# Allegro board HI3516AREFB_VER_B_PCB.brd (continued)
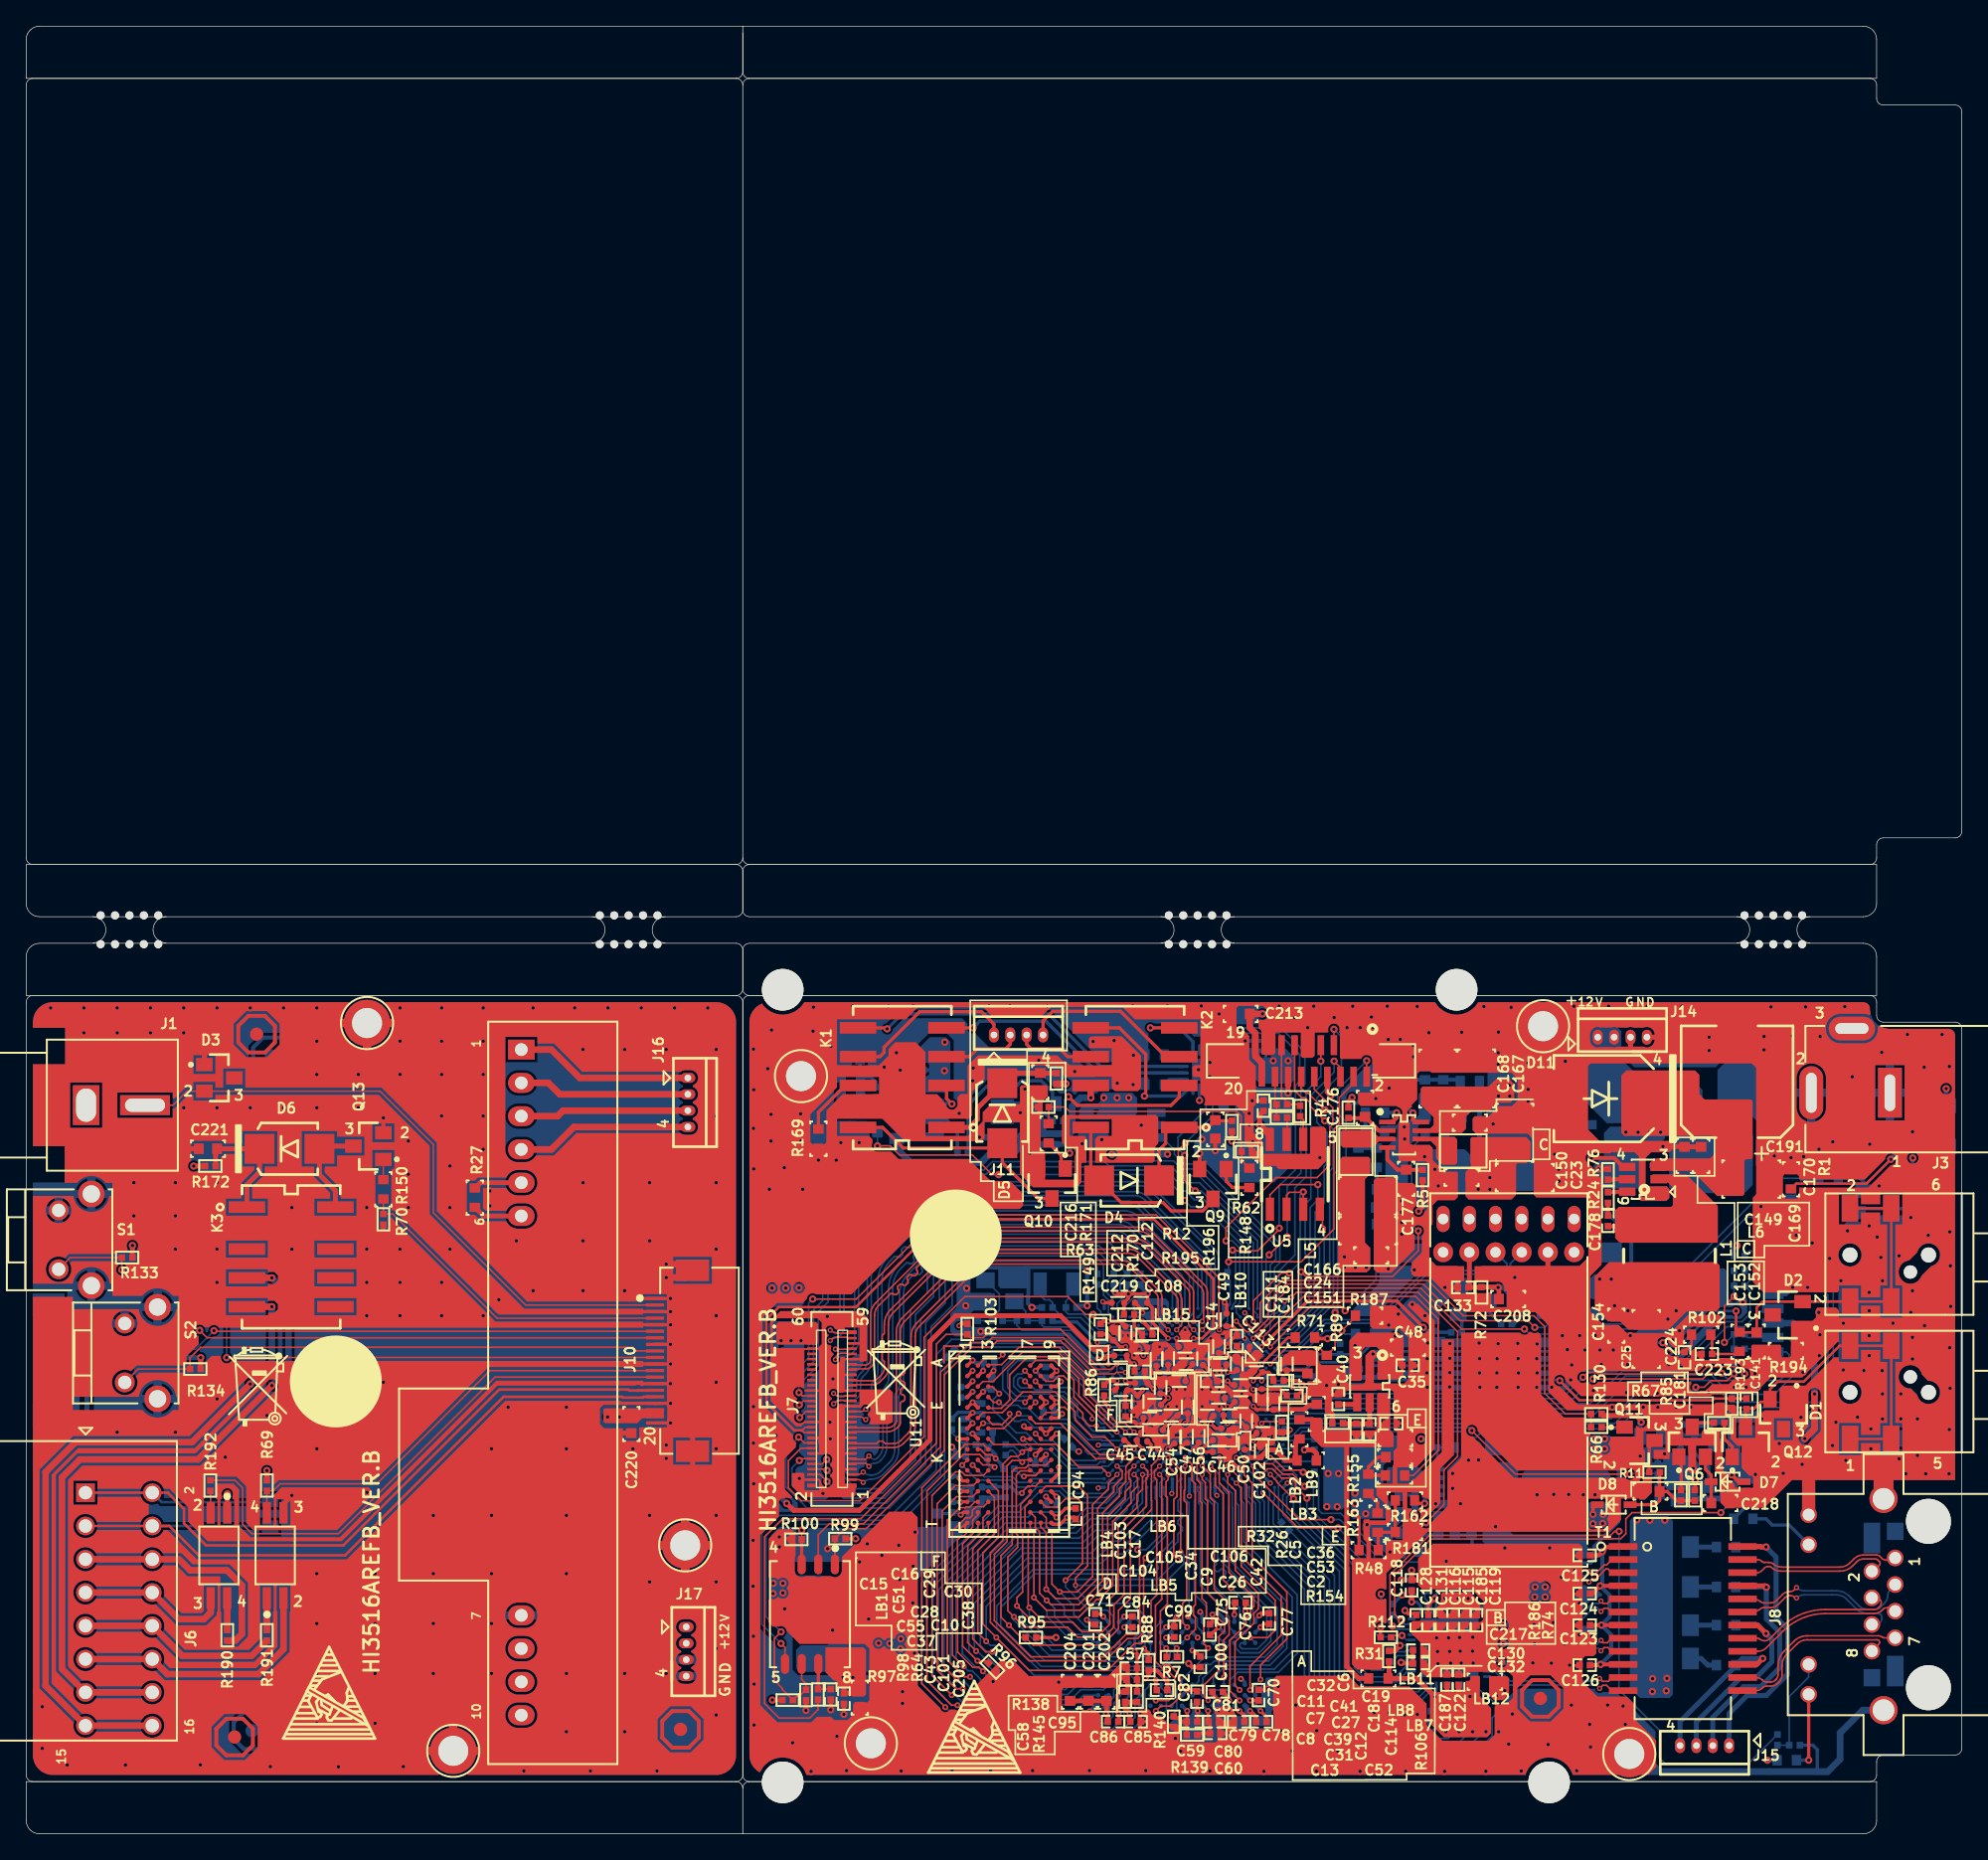
[diagram p0: board, top side]
## Routing (per net, layer and track width the routed paths; a pad name or vN(x,y) marks a point on that pad's centre or on a via; arc(x,y) is an arc through that point) (continued)
  BOTTOM w0.254: v3(93.66,32.62) 93.34,32.94 U8.L18
DVDD3318: length 11.7
  TOP w0.381: v1(107.53,10.46) 106.13,11.86 LB11.1 104.02,11.93 R31.1 ; C187.1 108.45,10.67 ; C122.1 109.33,10.63
  BOTTOM w0.203: v1(107.53,10.46) 107.63,10.57 U2.21 ; U2.15 110.03,10.65 v1(110.21,10.48)
  BOTTOM w0.305: R107.1 v1(111.42,7.8) ; R110.1 v1(108.36,7.79) ; R109.1 v1(109.38,7.8) ; R108.1 v1(110.4,7.79)
DVDDIO_RGMII: length 6.9
  TOP w0.381: LB2.2 96.88,29.84 96.88,28.62 LB3.2 96.15,28.49 95.33,29.31 94.79,29.31 C102.1 94.2,28.72 v3(93.01,28.72)
  BOTTOM w0.127: U8.E17 v3(93.01,28.72)
GND: length 249.1
  TOP w0.152: U11.J2 72.84,29.34 73.25,28.93 73.71,28.93 v2(74,28.65)
  TOP w0.254: v3(84.56,29.37) 83.89,30.04 C45.2 ; v2(78.82,27.99) 78.82,27.52 U11.M9 ; C47.2 88.62,30.8 C56.2 89.49,31.05 v3(89.76,31.32) ; v2(79.08,32.05) 78.77,31.74 78.76,31.74 U11.F9 ; C82.2 89.36,10.06 89.36,9.43 v2(89.42,9.38) 89.42,8.58 C59.2 ; U11.T9 78.36,23.62 78.92,23.62 v2(79.44,24.14) ; U11.A9 v2(78.64,35.34) 78.24,34.94 U11.B9 ; R181.1 104.45,21.51 v1(104.1,21.51) ; v2(77.84,25.74) 78.24,25.34 U11.P9 ; U11.B1 v2(72.24,35.34) ; v2(71.51,23.29) 71.61,23.39 71.61,23.51 71.61,23.51 U11.T1 ; C55.2 86.73,31.73 C10.2 ; C70.2 94.63,10.99 v2(94.73,11.1) ; v2(93.05,16.99) 93.05,17.61 C76.2 ; U11.B3 v2(73.84,35.34) ; v3(85.21,39.77) 85.21,39.95 C108.2 ; C84.2 84.43,16.58 v2(83.81,16.58) ; C219.2 82.25,40.53 v3(82.18,40.61) ; v2(83.39,9.22) 83.27,9.34 83.27,10.59 83.55,10.87 C58.2 83.98,10.97 ; v2(91.01,15.78) 90.42,15.19 C75.2 ; C49.2 91.63,40.41 v2(91.47,40.57) ; U11.P1 71.84,25.34 71.33,25.34 v2(71.31,25.31) ; U11.G9 78.24,30.94 v2(77.84,30.54) 77.44,30.94 U11.G8 ; v2(77.04,28.94) 77.44,29.34 U11.J8 ; U11.E8 77.44,32.54 v2(77.84,32.94) U11.D8 ; v3(87.81,31.32) 87.64,31.15 C54.2 ; C99.2 87.6,14.97 v2(87.02,14.97) ; v2(91.02,9.38) 91.02,8.61 C80.2 ; v2(91.02,10.18) 90.66,10.53 90.66,10.72 C81.2 ; U11.M1 71.84,26.94 71.46,26.94 v2(71.25,27.15) ; C40.2 v1(100.15,34.29) ; R95.1 v1(78.6,14.98) ; v3(86.51,29.37) C44.2 ; U11.E2 72.42,32.76 v2(72.24,32.94) 71.84,32.54 U11.E1 ; C13.2 92.13,30.05 v2(92.41,29.76) 91.8,29.15 C46.2 ; v2(80.96,16.33) 81.31,15.97 C71.2 ; U11.D1 v2(72.24,33.74) ; U11.G1 72.01,31.11 v2(72.24,31.34)
  TOP w0.305: C217.2 v1(123.28,27) ; v2(85.33,30.55) 85.61,30.84 C37.2 ; U6.1 123.68,49.01 v1(123.42,48.75) ; C95.2 87.1,11.67 v2(87.02,11.76) 86.31,12.47 R88.1 85.68,12.11 v2(85.43,11.86) ; v2(93.42,9.38) 93.87,8.92 C78.2 ; v1(57.49,21.89) 57.92,21.46 U4.4 ; C176.2 v1(103.02,56.12) ; Q9.2 v1(89.57,51.93) ; v1(99.32,37.79) 98.43,37.79 R71.1 ; v2(83.39,9.22) 83.39,8.59 C86.2 ; C77.2 94.29,16.84 v2(94.11,16.66) ; v2(79.44,24.14) 79.98,24.14 C94.2 ; v1(104.88,60.63) 104.88,59.46 J9.22 103.96,59.45 v1(103.96,60.63) ; Q11.2 123.02,29 v1(123.2,28.83) ; v3(83.91,34.57) 84.08,34.41 C16.2 ; v1(88.73,13) 89.01,12.72 C100.2 ; C79.2 92.17,9.03 v2(91.82,9.38) ; R1.2 v1(134.7,51.61) ; U5.5 v1(98.74,51.61) ; C101.2 v1(62.42,9.11) ; C43.2 v1(61.41,9.47) ; 93.61,55.98 v1(93.58,55.95) 94.42,55.95 C112.2 ; C104.2 82.52,36.49 82.28,36.26 v3(81.79,36.26) ; C15.2 83.26,34.02 v3(83.26,34.57) 82.59,34.57 R86.1 ; R98.1 v1(59.52,9.42) ; C212.2 v1(90.76,52.14)
  TOP w0.381: J14.3 122.46,59.9 ; v1(99.58,56.36) 99.32,56.62 J9.8 ; 127.87,36.04 C223.2 127.29,36.62 ; J9.3 v1(101.82,61.53) ; 106.48,19.38 C118.2 v1(105.75,20.11) ; C52.2 94.92,30.65 R106.1 96.3,30.65 v3(96.48,30.83) ; J9.5 v1(100.82,61.53) ; J9.14 v1(96.32,56.54) ; C213.2 v1(91.05,62.58) ; J14.4 124.42,60.8 ; R169.1 v1(60.47,51.42) ; R32.1 99.69,32.01 99.4,32.3 ; J9.1 v1(102.82,61.53) ; 109.28,41.12 C133.2 ; C133.2 109.28,42.29 ; C133.2 108.69,41.7 ; C152.2 C153.2 126.55,52.46 v1(124.93,52.46) ; J9.11 v1(97.82,61.53) ; J2.2 116.15,43.11
  TOP w1.016: 136.05,27.34 J8.13
  TOP w1.524: J8.11 141.77,27.43
  GND03 w0.635: 116.15,43.14 J2.2 116.15,45.53
  BOTTOM w0.203: v1(108.57,14.96) 108.83,15.22 U2.43 ; v1(110.42,15.01) 110.43,15.02 U2.47 ; v2(87.02,11.76) 87.02,11.3 87.02,11.3 87.02,11.21 87.42,10.81 U12.J2
  BOTTOM w0.254: U12.A9 93.81,16.36 v2(94.11,16.66) ; C173.2 136.37,6.77 136.71,6.42 136.71,4.75 ; v2(71.31,25.31) 70.73,25.31 C63.2 ; U8.D17 92.69,28.03 v2(92.56,27.9) 92.69,27.77 U8.B17 ; C67.2 77.66,32.75 v2(77.84,32.94) ; v2(85.05,9.22) 85.04,9.22 85.02,9.25 85.02,9.77 U12.M1 ; v2(87.02,14.97) 87.42,15.37 U12.J8 ; U8.E5 v3(84.56,29.37) ; v3(90.89,25.83) 90.74,25.98 U8.A14 U8.B14 ; U8.A22 v3(96.26,26.77) ; U12.P9 83.42,16.18 v2(83.81,16.58) 83.84,16.6 84.59,16.6 U12.M9 ; v3(86.51,29.37) 86.19,29.05 U8.E7 ; C93.2 78.35,35.63 v2(78.64,35.34) ; U8.B20 v3(94.96,26.77) ; U8.T21 95.29,36.2 v3(95.61,35.87) 95.94,36.19 U8.T22 ; U8.N21 U8.N22 96.49,34.25 v3(96.65,34.08) ; C83.2 77.84,25.1 v2(77.84,25.74) ; 126.09,27.53 Q4.2 ; R87.1 74.43,28.04 74.43,28.22 v2(74,28.65) 74,28.95 73.5,29.45 C92.2 ; v2(88.67,16.59) 89.02,16.25 U12.G9 ; U8.AB22 95.94,40.1 96.06,40.22 v3(96.06,40.66) ; v1(80.98,42.97) 80.73,43.23 76.21,43.23 ; U12.P1 83.42,9.77 83.42,9.25 v2(83.39,9.22) ; U7.5 61.89,15.88 v1(61.55,15.54) ; U8.R1 82.26,35.55 81.79,36.02 v3(81.79,36.26) 81.48,36.26 79.61,38.12 73.67,38.12 73.52,38.27 ; U8.F2 U8.F1 81.85,29.7 v3(81.83,29.67) ; U12.B1 93.02,9.78 v2(93.42,9.38) ; U8.A1 81.88,26.45 v3(81.83,26.39) ; U8.W11 v3(88.46,38.47) 88.79,38.79 U8.Y11 ; U8.B11 U8.A11 88.78,26.44 v3(88.78,25.78) ; U12.E8 91.01,15.77 v2(91.01,15.78) U12.D8 ; C188.2 v1(117.18,19.58) ; v3(87.43,25.97) 87.49,26.02 U8.A9 U8.B9 ; R121.2 v1(105.01,18.23) ; v3(96.48,30.83) 96.31,31 U8.H22 ; v2(91.47,40.57) 91.39,40.48 U8.AB15 U8.AA15 91.03,39.09 ; v2(81.16,9.34) 81.59,9.78 U12.T1 ; v2(89.61,16.94) 89.74,16.81 89.74,16.42 89.81,16.34 89.81,16.18 U12.F9 ; U12.T9 81.66,16.33 v2(80.96,16.33) ; C200.2 78.44,39.06 80.2,39.06 v3(81.76,37.49) 81.76,37.5 ; v2(89.42,14.98) 89.02,15.38 U12.G8 ; U8.AA18 v3(93.01,39.77) ; v2(93.05,16.99) 93.01,16.96 93.01,16.18 U12.B9 ; U8.P20 94.64,34.89 v3(94.31,34.57) U8.P19 ; U12.E2 v2(91.02,10.18) ; v3(82.18,40.61) 82.29,40.5 U8.AB1 ; U12.B3 93.01,11.38 93.01,11.56 92.74,11.83 v2(92.72,11.83) ; U12.E1 v2(91.02,9.38) ; U12.G1 v2(89.42,9.38) ; U12.D1 v2(91.82,9.38) ; U7.3 v1(64.3,16.38)
  BOTTOM w0.305: v1(112.4,7.79) R119.2 113.18,8.54 ; U16.2 v1(85.11,54.09) ; C3.2 104.02,47.8 ; R189.1 103.61,38.83 v1(104,38.83) ; R59.1 107.17,39.54 v1(106.76,39.54) ; C197.2 80.3,40.31 v1(80.98,40.31) v1(80.98,41.58) v1(80.98,42.97) ; v2(72.24,33.74) 71.8,33.3 C89.2 ; J13.6 134.31,41.18 v1(134.83,41.7) ; C33.2 99.14,34.1 v1(99.26,34.22) ; R143.1 70.9,29.26 v1(70.65,29.51) ; C140.2 v1(93.05,60.52) ; C65.2 77.04,28.26 v2(77.04,28.94) ; C66.2 73.77,29.84 C92.2 73.14,29.69 C64.2 ; v1(99.32,37.79) 99.9,37.79 C214.2 ; C127.2 107.7,19.5 v1(107.65,19.45) 106.98,20.13 R188.2 ; C91.2 71.91,31.67 v2(72.24,31.34) ; v1(116.67,51.86) 116.67,51.02 v1(116.97,50.72) ; C189.2 v1(115.1,15.97) ; v4(80.35,29.18) 80.2,29.18 C96.2 ; C88.2 72.88,32.94 v2(72.24,32.94) ; v1(84.49,57.18) R77.2 ; C192.2 102.86,13.1 v1(102.57,13.38) ; J13.11 v1(133.82,29.79) ; C68.2 71.1,27.3 v2(71.25,27.15) ; C90.2 73.84,34.89 v2(73.84,35.34) 73.9,35.4 C87.2 ; C156.2 62.24,59.3 v1(61.42,60.12) ; C134.2 v1(134.11,27.51) ; v1(105.19,53.95) 104,53.95 R182.1 ; C198.2 v1(76.77,40.18) 76.46,40.48 76.46,41.09 ; C117.2 v1(110.19,20.24) ; R180.1 v1(108.39,20.8) ; C209.2 v1(132.88,26.79)
  BOTTOM w0.381: v1(76.6,51.95) C138.1 R147.1 ; 72.6,24.81 72.96,25.17 C61.2 73.01,25.62 73.82,25.62 R141.1 C62.2 ; C129.2 v1(115.01,13.05) ; v1(63.61,20.75) C144.2 64.19,19.96 ; R131.1 v1(135.67,51.69) ; 115.81,52.65 R137.1 v1(116.67,51.86) ; C157.2 v1(63.58,52.76) ; C158.2 v1(62.18,52.76) ; C210.2 v1(66.42,59.62) ; J14.3 122.46,59.82 ; Q3.2 v1(108.29,41.7) ; C186.2 v1(115.13,14.5) 116.14,14.5 ; J14.4 124.42,60.8
  BOTTOM w0.508: J8.12 140.19,9.43 138.45,7.69 138.45,5.69 137.51,4.75 132.98,4.75 ; U15.4 74.45,53.17 v1(72.76,53.17)
  BOTTOM w0.635: J3.1 142.25,58.93 ; J3.1 141.01,56.56 ; J3.1 144.1,56.56 ; J3.1 142.25,54.07
  BOTTOM w1.016: J8.13 136.05,27.35
  BOTTOM w1.524: J8.11 141.77,27.68
  vias: v1(55.48,22.4) v1(55.48,18.89) v1(55.51,59.89) v1(55.53,56.79) v1(55.51,53.84) v1(55.53,50.75) v1(55.51,32.61) v1(55.51,29.82) v1(55.53,26.72) v1(55.51,15.08) v1(55.56,11.43) v1(55.56,8.3) v1(56.6,58.4) v1(56.73,49.2) v1(56.89,61.34) v1(56.85,54.91) v1(56.85,52.88) v1(57.11,27.73) v1(57.23,30.4) v1(57.49,22.65) v1(57.87,50.85) v1(57.89,17.17) v1(58.49,6.95) v1(59.01,27.12) v1(59.11,54.95) v1(59.14,52.88) v1(59.27,49.2) v1(59.9,4.77) v1(60.09,63.09) v1(60.06,61.27) v1(60.82,25.98) v1(61.15,39.49) v1(61.17,21.76) v1(61.35,31.42) v1(61.37,30.15) v1(61.58,34.72) v1(61.83,51.42) v1(61.88,7.44) v1(62.62,4.82) v1(63.09,63.19) v1(64.2,22.13) v1(65.31,21.26) v1(65.49,58.52) v1(65.79,63.17) v1(66.58,18.04) v1(66.6,22.02) v1(66.67,19.4) v1(66.71,58.29) v1(66.78,4.8) v1(66.89,10.84) v1(66.89,9.95) v1(67.67,17.62) v1(67.7,63.19) v1(67.7,20.42) v1(67.85,23.03) v1(67.8,13.79) v1(70.67,4.82) v1(71.21,54.99) v1(71.78,41.64) v1(71.71,40.31) v1(72.07,6.57) v1(72.29,58.45) v1(72.24,57.48) v1(72.85,38.35) v1(73.49,63.19) v1(73.62,4.82) v1(73.8,11.63) v1(75.09,63.19) v1(75.88,55.04) v1(76.23,56.84) v1(76.82,4.82) v1(77.28,59.04) v1(77.93,63.17) v1(78.82,11.57) v1(80.03,58.19) v1(80.6,52.68) v1(81.16,4.82) v1(81.43,60.47) v1(82.1,52.98) v1(83.04,60.55) v1(83.28,57.29) v1(84.46,63.19) v1(84.51,59.43) v1(85.45,4.82) v1(87.1,63.19) v1(88.12,6.3) v1(89.48,58.32) v1(89.7,63.19) v1(89.75,53.01) v1(90.36,58.87) v1(90.33,57.78) v1(90.36,4.8) v1(91.9,7.67) v1(92.64,6.35) v1(93.35,54.99) v1(93.35,54.1) v1(93.62,52.83) v1(94.47,4.77) v1(95.56,11.25) v1(95.64,63.17) v1(95.77,7.87) v1(96.63,6.32) v1(96.83,62.29) v1(96.91,9.83) v1(98.28,63.17) v1(98.48,4.77) v1(98.51,7.87) v1(99.27,24.97) v1(99.38,27.5) v1(99.83,62.3) v1(100.07,24.96) v1(100.17,27.5) v1(100.11,6.32) v1(100.34,35.43) v1(101.25,63.17) v1(101.81,4.77) v1(102.34,23.59) v1(102.68,62.34) v1(102.8,36.62) v1(102.9,9.25) v1(103.89,63.17) v1(103.97,43.13) v1(104.03,56.92) v1(104.04,9.23) v1(104.73,39.67) v1(104.99,48.31) v1(104.99,47.46) v1(104.99,46.66) v1(104.99,45.77) v1(105.21,53.03) v1(105.21,9.08) v1(105.29,4.77) v1(105.87,60.17) v1(105.8,40.41) v1(105.9,59.31) v1(105.95,43.05) v1(106,38.15) v1(106.17,63.15) v1(106.18,9.11) v1(106.74,51.69) v1(106.94,36.27) v1(106.92,35.18) v1(106.94,34.08) v1(107.06,61.15) v1(106.99,37.46) v1(107.53,50.72) v1(107.58,25.19) v1(107.65,14.96) v1(107.78,49.45) v1(107.73,13.92) v1(107.75,12.98) v1(108.26,4.77) v1(108.67,37.41) v1(108.67,36.29) v1(108.67,35.2) v1(108.64,34.11) v1(108.64,13.92) v1(108.72,13.03) v1(108.87,27.5) v1(108.87,26.36) v1(109.47,25.2) v1(109.41,14.98) v1(109.46,13.94) v1(109.57,61.18) v1(109.53,13.03) v1(110.09,28.52) v1(110.4,13.94) v1(110.45,13.03) v1(110.86,28.54) v1(110.9,37.46) v1(110.93,36.27) v1(110.93,35.18) v1(110.95,34.08) v1(111.27,63.15) v1(111.41,4.77) v1(111.97,54.17) v1(112.15,23.44) v1(112.28,36.27) v1(112.25,35.18) v1(112.25,34.08) v1(112.38,61.19) v1(112.35,59.61) v1(112.35,58.72) v1(112.35,37.41) v1(112.86,21.81) v1(113.15,6.84) v1(113.34,63.08) v1(113.44,9.14) v1(113.62,42.46) v1(113.85,37.44) v1(113.88,36.27) v1(113.88,34.08) v1(113.9,35.18) v1(114.12,4.79) v1(114.63,58.85) v1(114.64,56.82) v1(114.64,55.93) v1(115.32,37.38) v1(115.3,36.27) v1(115.32,35.18) v1(115.3,34.08) v1(115.32,25.88) v1(116.16,6.81) v1(116.29,21.81) v1(116.44,34.08) v1(116.42,13.03) v1(116.59,58.96) v1(116.57,16.13) v1(116.59,25.9) v1(117,49.81) v1(117.25,38.02) v1(117.48,58.96) v1(117.43,14.5) v1(117.53,16.86) v1(117.64,36.95) v1(117.74,25.9) v1(117.89,34.64) v1(117.81,12.87) v1(117.97,35.78) v1(117.94,9.83) v1(118.14,63.17) v1(118.19,20.11) v1(118.35,4.81) v1(118.57,38.02) v1(118.55,17.6) v1(118.55,15.19) v1(118.85,25.88) v1(118.98,36.93) v1(119.34,8.35) v1(119.41,6.62) v1(119.51,15.08) v1(119.62,33.83) v1(119.77,38.02) v1(119.74,25.88) v1(120.12,36.93) v1(120.23,35.81) v1(120.78,63.17) v1(120.71,9.83) v1(121.06,32.56) v1(121.14,36.93) v1(121.88,9.75) v1(122.05,8.35) v1(122.16,33.68) v1(122.23,36.95) v1(122.23,35.81) v1(122.44,38.02) v1(122.93,23.96) v1(123.43,32.56) v1(123.73,63.17) v1(123.93,23.94) v1(124.14,11.85) v1(124.12,10.85) v1(124.49,33.63) v1(124.54,32.56) v1(125.05,29) v1(125.07,23.93) v1(125.18,10.92) v1(125.23,11.87) v1(125.38,35.81) v1(125.66,37.69) v1(125.94,32.56) v1(126.19,38.4) v1(126.37,63.17) v1(127.06,32.56) v1(127.21,39.29) v1(127.24,27.89) v1(127.49,35.66) v1(128.46,60.8) v1(128.46,59.79) v1(128.43,33.7) v1(128.86,39.16) v1(129.73,26.2) v1(130.28,31.77) v1(130.39,34.08) v1(131.02,40.56) v1(131.27,34.08) v1(131.96,35.12) v1(131.99,27.43) v1(132.14,34.08) v1(132.42,47.88) v1(132.47,31.67) v1(132.51,51.74) v1(132.65,60.85) v1(132.65,59.84) v1(133.18,63.12) v1(133.43,51.74) v1(134.81,60.91) v1(135.1,45.68) v1(135.46,31.79) v1(135.56,28.19) v1(135.62,35.23) v1(135.82,63.12) v1(135.97,41.7) v1(136.32,45.1) v1(136.84,52.24) v1(136.83,39.8) v1(136.86,36.5) v1(136.93,60.85) v1(136.91,38.1) v1(137.66,43.91) v1(137.88,29.64) v1(137.9,52.81) v1(138.13,31.42) v1(138.51,42.21) v1(138.69,35.4) v1(138.7,38.97) v1(138.81,63.14) v1(138.89,28.49) v1(139.02,46.02) v1(139.38,57.78) v1(139.78,31.8) v1(140.27,35.35) v1(140.67,46.4) v1(140.67,41.32) v1(140.67,39.92) v1(140.67,38.02) v1(140.67,36.5) v1(140.72,52.64) v1(140.8,30.91) v1(140.8,29.38) v1(141.28,45.55) v1(141.43,49.45) v1(141.56,43.99) v1(141.63,59.64) v1(141.69,42.21) v1(141.66,35.35) v1(141.69,33.57) v1(141.69,31.67) v1(142.49,38.97) v1(142.96,44.12) v1(142.96,28.62) v1(143.09,33.57) v1(143.09,31.67) v1(143.47,27.48) v1(143.59,61.01) v1(143.85,47.04) v1(143.85,39.8) v1(143.98,53.58) v1(143.97,41.45) v1(143.97,37.89) v1(143.97,36.24) v1(144.36,31.67) v1(144.36,28.88) v1(144.87,58.51) v1(144.9,38.79) v1(144.99,27.48) v1(145.18,45.68) v1(146.24,61.01) v1(146.77,27.48) v1(146.79,58.57) v1(146.82,45.94) v1(146.87,43.35) v1(146.82,37.11) v1(146.85,34.01) v1(146.79,30.86) v1(146.9,40.26) v2(86.01,34.92) v2(88.65,36.47) v2(92.79,33.57) v3(84.56,37.82) v3(84.56,36.52) v3(84.56,31.97) v3(86.51,37.17) v3(87.16,39.77) v3(87.16,32.62) v3(87.81,35.22) v3(87.81,33.92) v3(87.81,32.62) v3(88.46,33.92) v3(89.11,32.62) v3(89.76,35.22) v3(89.76,33.92) v3(89.76,32.62) v3(90.41,37.82) v3(90.41,33.92) v3(91.06,35.22) v3(91.06,33.92) v3(91.06,32.62) v3(93.01,37.82) v3(93.66,31.32) v4(87.71,7.29)
PGND: length 193.9
  TOP w0.254: 46.76,39.86 J10.3 v1(49.18,39.86) ; 46.93,34.36 J10.14 v1(49.18,34.36) ; v1(49.18,40.86) J10.1 46.78,40.86 ; J10.8 v1(49.18,37.36) ; 46.82,35.86 J10.11 v1(49.18,35.86) ; 47.03,32.86 J10.17 v1(49.18,32.86) ; 46.74,38.86 J10.5 v1(49.18,38.86) ; J10.20 v1(49.18,31.36)
  TOP w0.305: Q13.2 v1(27.26,54.65)
  TOP w0.381: v1(20.28,25.83) 19.64,25.19 U9.3 ; C220.2 45.1,30.58 ; R70.1 27.26,45.89 ; 50.86,30.42 J10.21 50.86,27.76 ; C221.2 12.36,52.29 ; D3.1 13.6,59.94
  TOP w0.508: v1(48.85,43.47) 50.4,43.47 J10.22 50.31,42.46 v1(48.85,42.46)
  TOP w0.635: 30.49,6.33 M9.1 ; M9.1 32.6,8.44 ; M9.1 34.7,6.33 ; 48.19,22.02 M11.1 ; M11.1 50.3,24.13 ; M11.1 50.3,19.91 ; M11.1 52.41,22.02 ; 23.91,61.88 M10.1 ; M10.1 28.13,61.88 ; M10.1 26.02,59.77
  GND03 w0.381: S2.4 11.51,33.2 ; S2.4 10.02,31.89 ; S2.4 8.73,33.2 ; S2.4 10.02,34.75 ; M9.1 30.25,6.33 ; M9.1 32.6,9.44 ; M9.1 35.07,6.33 ; 23.91,61.88 M10.1 ; M10.1 28.13,61.88 ; M10.1 26.02,59.77 ; S2.3 10.02,41.67 ; S2.3 10.02,38.75 ; S2.3 8.57,40.2 ; S2.3 11.49,40.2 ; 49.46,13.29 J17.3 51.49,13.29 ; S1.3 4.97,46.97 ; S1.3 6.54,48.84 ; S1.3 4.97,50.78 ; S1.3 3.36,48.84 ; S1.1 2.47,48.84 ; S1.1 2.47,46.3 ; S1.1 1.31,47.59 ; S1.1 3.6,47.59 ; 3.23,55.61 J1.2 ; J1.2 4.57,53.76 ; J1.2 5.92,55.61 ; J1.2 4.57,57.47 ; M11.1 50.3,24.13 ; M11.1 48.19,22.02 ; M11.1 50.3,19.91 ; M11.1 52.41,22.02 ; S2.1 8.68,38.95 ; S2.1 7.52,40.13 ; S2.1 6.26,38.95 ; S2.1 7.52,37.59 ; S1.4 6.81,41.84 ; S1.4 3.38,41.84 ; S1.4 4.97,43.42 ; S1.4 4.97,40.24 ; J17.4 51.44,12.04 ; J17.4 50.38,11.1 ; J17.4 49.54,12.04 ; U1.7 37.79,17.82 ; U1.7 36.54,16.68 ; U1.7 39.21,16.68 ; U1.7 37.79,15.68
  BOTTOM w0.381: 4.63,38.88 J12.4 5.8,38.02 ; C142.2 5.44,32.3
  BOTTOM w0.635: 39.34,16.68 U1.7 36.31,16.68 ; S1.4 6.49,41.84 ; S1.4 3.46,41.84 ; S1.4 4.97,43.35 ; S1.4 4.97,40.32 ; S2.1 6.01,38.95 ; S2.1 9.04,38.95 ; S2.1 7.52,40.47 ; S2.3 8.51,40.2 ; S2.3 10.02,41.72 ; S2.3 11.54,40.2 ; S2.3 10.02,38.69 ; 49.4,13.29 J17.3 51.47,13.29 ; 23.91,61.88 M10.1 ; M10.1 28.13,61.88 ; M10.1 26.02,59.77 ; 51.47,12.04 J17.4 49.46,12.04 ; M9.1 35.2,6.33 ; M9.1 32.6,9.22 ; M9.1 30.17,6.33 ; S2.4 8.51,33.2 ; S2.4 10.02,34.72 ; S2.4 11.54,33.2 ; S2.4 10.02,31.69 ; S1.3 3.46,48.84 ; S1.3 4.97,50.35 ; S1.3 6.49,48.84 ; S1.3 4.97,47.32 ; S1.1 3.99,47.59 ; S1.1 2.47,49.1 ; S1.1 0.96,47.59 ; S1.1 2.47,46.07 ; M11.1 50.3,24.9 ; M11.1 50.3,19.53 ; M11.1 47.87,22.02 ; M11.1 52.9,22.02
  vias: v1(1.23,9.7) v1(1.23,6.52) v1(1.86,63.04) v1(3.13,5.25) v1(4.4,63.04) v1(4.4,61.13) v1(6.94,63.04) v1(6.94,61.13) v1(6.94,30.65) v1(7.58,5.25) v1(8.21,49.7) v1(8.21,47.16) v1(9.48,63.04) v1(9.48,61.13) v1(11.39,49.7) v1(11.39,47.16) v1(11.39,44.62) v1(11.39,30.65) v1(12.02,63.04) v1(12.02,61.13) v1(12.02,55.42) v1(13.29,5.25) v1(14.56,63.04) v1(14.56,55.42) v1(14.56,49.7) v1(14.56,47.16) v1(14.56,44.62) v1(14.56,42.08) v1(14.56,33.19) v1(15.2,28.75) v1(17.1,63.04) v1(17.1,55.42) v1(18.37,31.92) v1(18.63,5.13) v1(19.64,63.04) v1(19.64,55.42) v1(20.28,47.8) v1(20.28,44.62) v1(22.18,63.04) v1(22.18,60.5) v1(22.18,57.96) v1(22.18,55.42) v1(22.18,34.46) v1(22.18,29.38) v1(22.18,19.86) v1(22.18,16.05) v1(22.18,12.24) v1(22.18,8.43) v1(23.83,5.11) v1(25.36,57.96) v1(25.36,55.42) v1(25.99,47.8) v1(25.99,44.62) v1(25.99,42.08) v1(25.99,39.54) v1(26.02,26.06) v1(26.63,19.86) v1(26.63,16.05) v1(26.63,12.24) v1(26.63,8.43) v1(27.26,34.46) v1(28.53,63.04) v1(28.53,60.5) v1(28.53,57.96) v1(28.53,44.62) v1(28.53,42.08) v1(28.53,39.54) v1(28.79,5.13) v1(29.17,52.88) v1(29.17,50.34) v1(29.17,47.8) v1(31.07,24.3) v1(31.07,19.86) v1(31.07,16.05) v1(31.07,12.24) v1(31.71,63.04) v1(31.71,60.5) v1(31.71,57.96) v1(31.71,54.78) v1(31.71,42.08) v1(31.71,39.54) v1(32.34,50.97) v1(32.34,47.8) v1(32.34,44.62) v1(34.88,63.04) v1(34.88,60.5) v1(34.88,57.96) v1(34.88,54.78) v1(34.88,52.24) v1(34.88,39.54) v1(35.39,49.07) v1(35.39,47.93) v1(35.52,29.38) v1(35.52,24.3) v1(35.52,19.86) v1(35.52,16.05) v1(35.52,12.24) v1(36.08,40.76) v1(36.79,32.56) v1(37.42,45.26) v1(37.99,4.8) v1(38.69,63.04) v1(38.69,41.45) v1(41.23,32.56) v1(41.23,29.38) v1(41.23,24.3) v1(41.23,19.86) v1(41.23,12.24) v1(41.23,7.79) v1(41.87,63.04) v1(42.5,59.86) v1(42.5,49.7) v1(42.5,45.26) v1(42.5,41.45) v1(43.07,4.8) v1(44.41,63.04) v1(45.68,59.86) v1(45.68,41.45) v1(45.68,12.24) v1(45.68,7.79) v1(46.31,29.38) v1(46.95,63.04) v1(47.58,49.7) v1(47.58,45.26) v1(47.58,24.3) v1(47.58,19.22) v1(48.15,4.8) v1(48.85,59.86) v1(48.85,29.67) v1(48.85,28.66) v1(48.85,12.24) v1(49.49,63.04) v1(52.03,63.04) v1(52.66,59.86) v1(52.66,54.78) v1(52.66,49.7) v1(52.66,44.62) v1(52.66,39.54) v1(52.66,34.46) v1(52.66,29.38) v1(52.66,24.3) v1(52.66,19.22) v1(52.66,14.14) v1(52.66,9.06)
A-_WHITE: length 19.9
  TOP w0.254: K1.4 v1(72.27,61.52)
  BOTTOM w0.254: U13.2 81.78,58.08 77.83,62.02 72.78,62.02 v1(72.27,61.52)
A_RED: length 12.2
  TOP w0.254: v1(85.35,56.31) 85.45,56.41 85.45,59.51 83.45,61.52 K2.5
  BOTTOM w0.254: U13.16 88.67,56.83 88.15,56.31 v1(85.35,56.31)
AC_MIC_IN: length 55.4
  TOP w0.203: J5.2 J5.4 J5.3 J5.1 136.47,40.63 136.47,40.62 D2.2 132.54,40.62 132.09,40.16 C141.1 130.8,38.27 R193.1 130.51,38.56 v1(130.51,39.9)
  BOTTOM w0.203: C182.2 102.85,35.73 116.92,35.73 117.56,36.37 125.31,36.37 128.84,39.9 v1(130.51,39.9)
AC_MICBIAS: length 33.6
  TOP w0.203: R102.2 127.11,37.31 C224.1 125.64,36.78 v1(124.92,37.49)
  BOTTOM w0.203: U8.R22 96.38,35.99 97.44,35.99 98.05,36.6 C214.1 101.91,36.6 102.57,37.26 103.72,37.26 104.15,36.83 116.75,36.83 117.41,37.49 v1(124.92,37.49)
AC_OUTL: length 39.1
  TOP w0.203: v1(117.05,34.59) 118.55,33.09 128.71,33.09 128.84,33.22 R85.2 130.2,33.23 C181.2
  BOTTOM w0.152: C33.1 96.75,34.92 96.41,34.58 95.14,34.58 94.96,34.76 94.96,35.04 94.78,35.22 94.32,35.22 U8.R19
  BOTTOM w0.203: C33.1 98.27,34.86 100.53,34.86 101.05,34.34 103.89,34.34 104.2,34.64 117,34.64 v1(117.05,34.59)
AC_VREF: length 2.8
  TOP w0.203: C184.1 97.55,35.39 C111.1 96.22,35.39 95.78,35.39 v3(95.61,35.22)
  BOTTOM w0.203: U8.R21 v3(95.61,35.22)
ALARM_IN: length 15.3
  TOP w0.508: J6.9 J6.10 11.91,13.59 17.21,13.59 R191.2
ALARM_IN_CON: length 35.1
  TOP w0.127: J10.12 35.39,35.36 26.75,26.72 19.39,26.72 18.85,26.18 R69.1 18.37,26.17 U9.4
ALARM_IN_GND: length 20.3
  TOP w0.508: U9.2 19.64,14.09 17.74,12.19 10.77,12.19 J6.12 J6.11
ALARM_OUT: length 17.8
  TOP w0.508: J6.5 J6.6 11.67,20.96 12.51,20.11 15.32,20.11 16.47,18.97 16.47,15.25 15.96,14.75 R190.2
ALARM_OUT_CON: length 42.2
  TOP w0.127: J10.13 35.78,34.86 23.83,22.91 17.23,22.91 16.52,23.62 16.52,26.4 15.93,26.99 R192.1
ALARM_OUT_GND: length 11.7
  TOP w0.508: J6.7 J6.8 11.66,16.38 13.57,16.38 14.08,16.89 U10.3
B-_GREEN: length 27
  TOP w0.254: v1(65.72,61.44) 65.64,61.52 K1.5
  BOTTOM w0.254: v1(65.72,61.44) 66.86,62.58 78.01,62.58 82.02,58.58 U13.3
B_BLACK: length 6.5
  TOP w0.254: K2.4 v1(85.81,61.52)
  BOTTOM w0.254: v1(85.81,61.51) 88.01,61.51 89.06,60.46 U13.5
CONT+: length 21.7
  TOP w0.508: v1(81.26,56.18) 81.26,56.19 K2.7
  BOTTOM w0.508: R147.2 C138.2 76.6,53.44 76.08,53.44 75.9,53.26 75.9,52.47 75.39,51.96 73.62,51.96 72.88,51.23 67.52,51.23 66.45,52.3 R94.1 ; R147.2 R146.1 C137.1 79.84,53.63 79.84,55.55 80.47,56.18 v1(81.26,56.18) ; R147.2 77.62,54.2 R84.1
CONT+/A_RED: length 6
  TOP w0.254: J11.3 76.36,60.27 76.72,59.91 78.9,59.91 79.5,59.32 K2.6
CONT-: length 11.9
  TOP w0.254: v1(79.56,56.26) 80.22,55.6 87.38,55.6 88.01,56.23 K2.2
  BOTTOM w0.254: R83.1 79.31,54.56 79.31,56 v1(79.56,56.26)
CONT-/B_BLACK: length 13.2
  TOP w0.254: J11.4 77.61,62.04 78.36,62.78 83.53,62.78 86.99,59.32 K2.3
DC_IRIS_PWM: length 37.3
  TOP w0.127: v1(64.97,52.51) 65.96,52.51 66.66,51.81 72.22,51.81 73.72,50.31 v1(74.23,50.31)
  BOTTOM w0.127: R168.1 v1(64.97,52.51) ; v1(74.23,50.31) 86.7,50.31 87.95,49.06 88.49,49.06 89.16,48.38 89.9,48.38 93.3,44.98 93.3,40.13 U8.AB18
DDR3_1_VREF_CA: length 4.7
  TOP w0.254: R145.1 R138.2 C57.1 84.79,13.74 v2(84.62,13.92)
  BOTTOM w0.203: U12.M8 84.62,14.98 v2(84.62,13.92)
DDR3_1_VREF_DQ: length 3.6
  TOP w0.254: R140.2 87.71,8.84 87.92,8.84 88.2,8.56 C59.1 ; C59.1 88.62,8.6 v2(88.62,9.38) ; C59.1 R139.1
  BOTTOM w0.254: v2(88.62,9.38) 88.22,9.78 U12.H1
DDR3_2_VREF_CA: length 5.1
  TOP w0.13: U11.M8 77.04,26.54 76.46,26.54 76,26.08 v2(76,26.01)
  BOTTOM w0.254: v2(76,26.01) 75.65,26.01 75.17,26.49 C62.1 R141.2 73.85,26.46 R142.1
DDR3_2_VREF_DQ: length 3.3
  TOP w0.254: U11.H1 71.13,30.14 71.13,30.15 v2(71.13,30.15)
  BOTTOM w0.13: R143.2 71.69,28.83 C64.1 71.58,29.69 v2(71.13,30.15) 70.65,30.63 R144.1
DDR3_A0: length 46.4
  TOP w0.13: v2(73.28,14.69) 72.64,15.33 72.64,21.62 73.9,22.88 73.9,25.68 U11.N3
  BOTTOM w0.13: U8.A7 86.19,25.57 86.32,25.44 86.32,23.85 83.83,21.36 82.79,21.36 82.08,20.65 76.57,20.65 73.28,17.36 v2(73.28,14.69) 73.59,14.38 73.97,14.38 77.34,11.01 79.34,11.01 80.03,11.7 80.52,11.7 80.58,11.76 83.83,11.76 U12.N3
DDR3_A1: length 34.7
  TOP w0.13: U11.P7 76.23,24.93 76.23,23.16 76.49,22.91 76.49,17.34 v2(76.56,17.27) 77.28,16.55 80.37,16.55 81.71,17.9 81.88,17.9 82.93,18.94 82.93,23.84 84.34,25.24 84.34,26.03 84.82,26.52 84.82,27.16 v3(84.56,27.42)
  BOTTOM w0.13: U8.C5 v3(84.56,27.42) ; v2(76.56,17.27) 76.56,16.3 78.44,14.42 81.16,14.42 81.37,14.22 81.96,14.22 81.97,14.22 82.47,14.22 82.47,14.22 82.76,14.22 82.77,14.22 83.06,14.22 U12.P7
DDR3_A2: length 54
  TOP w0.13: v2(71.56,12.77) 70.7,13.64 70.7,23.12 71.71,24.13 72.04,24.13 72.22,24.3 72.22,24.68 72.5,24.96 73.06,24.96 U11.P3
  BOTTOM w0.127: 80.38,22.57 81.42,23.61 82.9,23.61 84.03,24.73 84.03,25.01 84.56,25.55 84.56,25.6
  BOTTOM w0.13: U12.P3 83.01,10.98 83.01,10.44 82.77,10.19 82.49,10.19 82.2,9.9 82.2,9.62 81.64,9.06 81.46,8.88 75.25,8.88 72.83,11.3 72.83,11.81 72.19,12.44 71.89,12.44 v2(71.56,12.77) 70.98,13.36 70.98,18.11 75.44,22.57 80.38,22.57 ; 84.56,25.6 84.56,26.77 U8.B5
DDR3_A3: length 58.9
  TOP w0.13: v2(71.02,11.78) 69.92,12.88 69.92,24.64 71.01,25.73 72.23,25.73 U11.N2
  BOTTOM w0.13: U8.B4 84.24,26.9 83.93,26.59 83.93,25.8 82.6,24.47 81.05,24.47 79.91,23.34 74.94,23.34 70.06,18.45 70.06,12.74 v2(71.02,11.78) 71.02,11.73 71.15,11.6 71.62,11.6 72.02,11.21 72.02,10.79 74.83,7.98 82.9,7.98 83.8,8.88 83.8,10.16 U12.N2
DDR3_A4: length 34
  TOP w0.13: v3(87.89,20.93) 87.59,21.22 87.59,25.51 87.84,25.75 87.84,27.39 v3(87.16,28.07) ; v2(79.33,19.35) 80.63,20.65 80.63,25.22 80.27,25.57 79.33,25.57 78.7,24.94 77.84,24.94 U11.P8
  BOTTOM w0.13: U8.C9 v3(87.16,28.07) ; U12.P8 82.99,15.8 82.99,16.58 82.51,17.06 81.11,17.06 79.33,18.84 v2(79.33,19.35) 79.41,19.43 86.39,19.43 v3(87.89,20.93)
DDR3_A5: length 55.4
  TOP w0.13: v2(72.04,11.98) 71.6,11.98 70.31,13.27 70.31,23.94 71.26,24.89 71.69,24.89 71.73,24.94 72.02,24.94 72.42,25.34 U11.P2
  BOTTOM w0.127: 80.14,22.95 81.24,24.05 82.74,24.05 83.55,24.87
  BOTTOM w0.13: U8.A4 84.26,26.42 84.26,25.73 83.55,25.02 83.55,24.87 ; U12.P2 83.42,10.36 83.03,9.98 83.03,9.49 82.95,9.41 82.95,8.97 82.41,8.44 74.98,8.44 72.42,10.99 72.42,11.6 v2(72.04,11.98) 71.65,11.98 70.54,13.09 70.54,18.28 75.21,22.95 80.14,22.95
